# EAGLE board Mk4 Final a Panel score (EAGLE 9.0.1), part 7 of 24
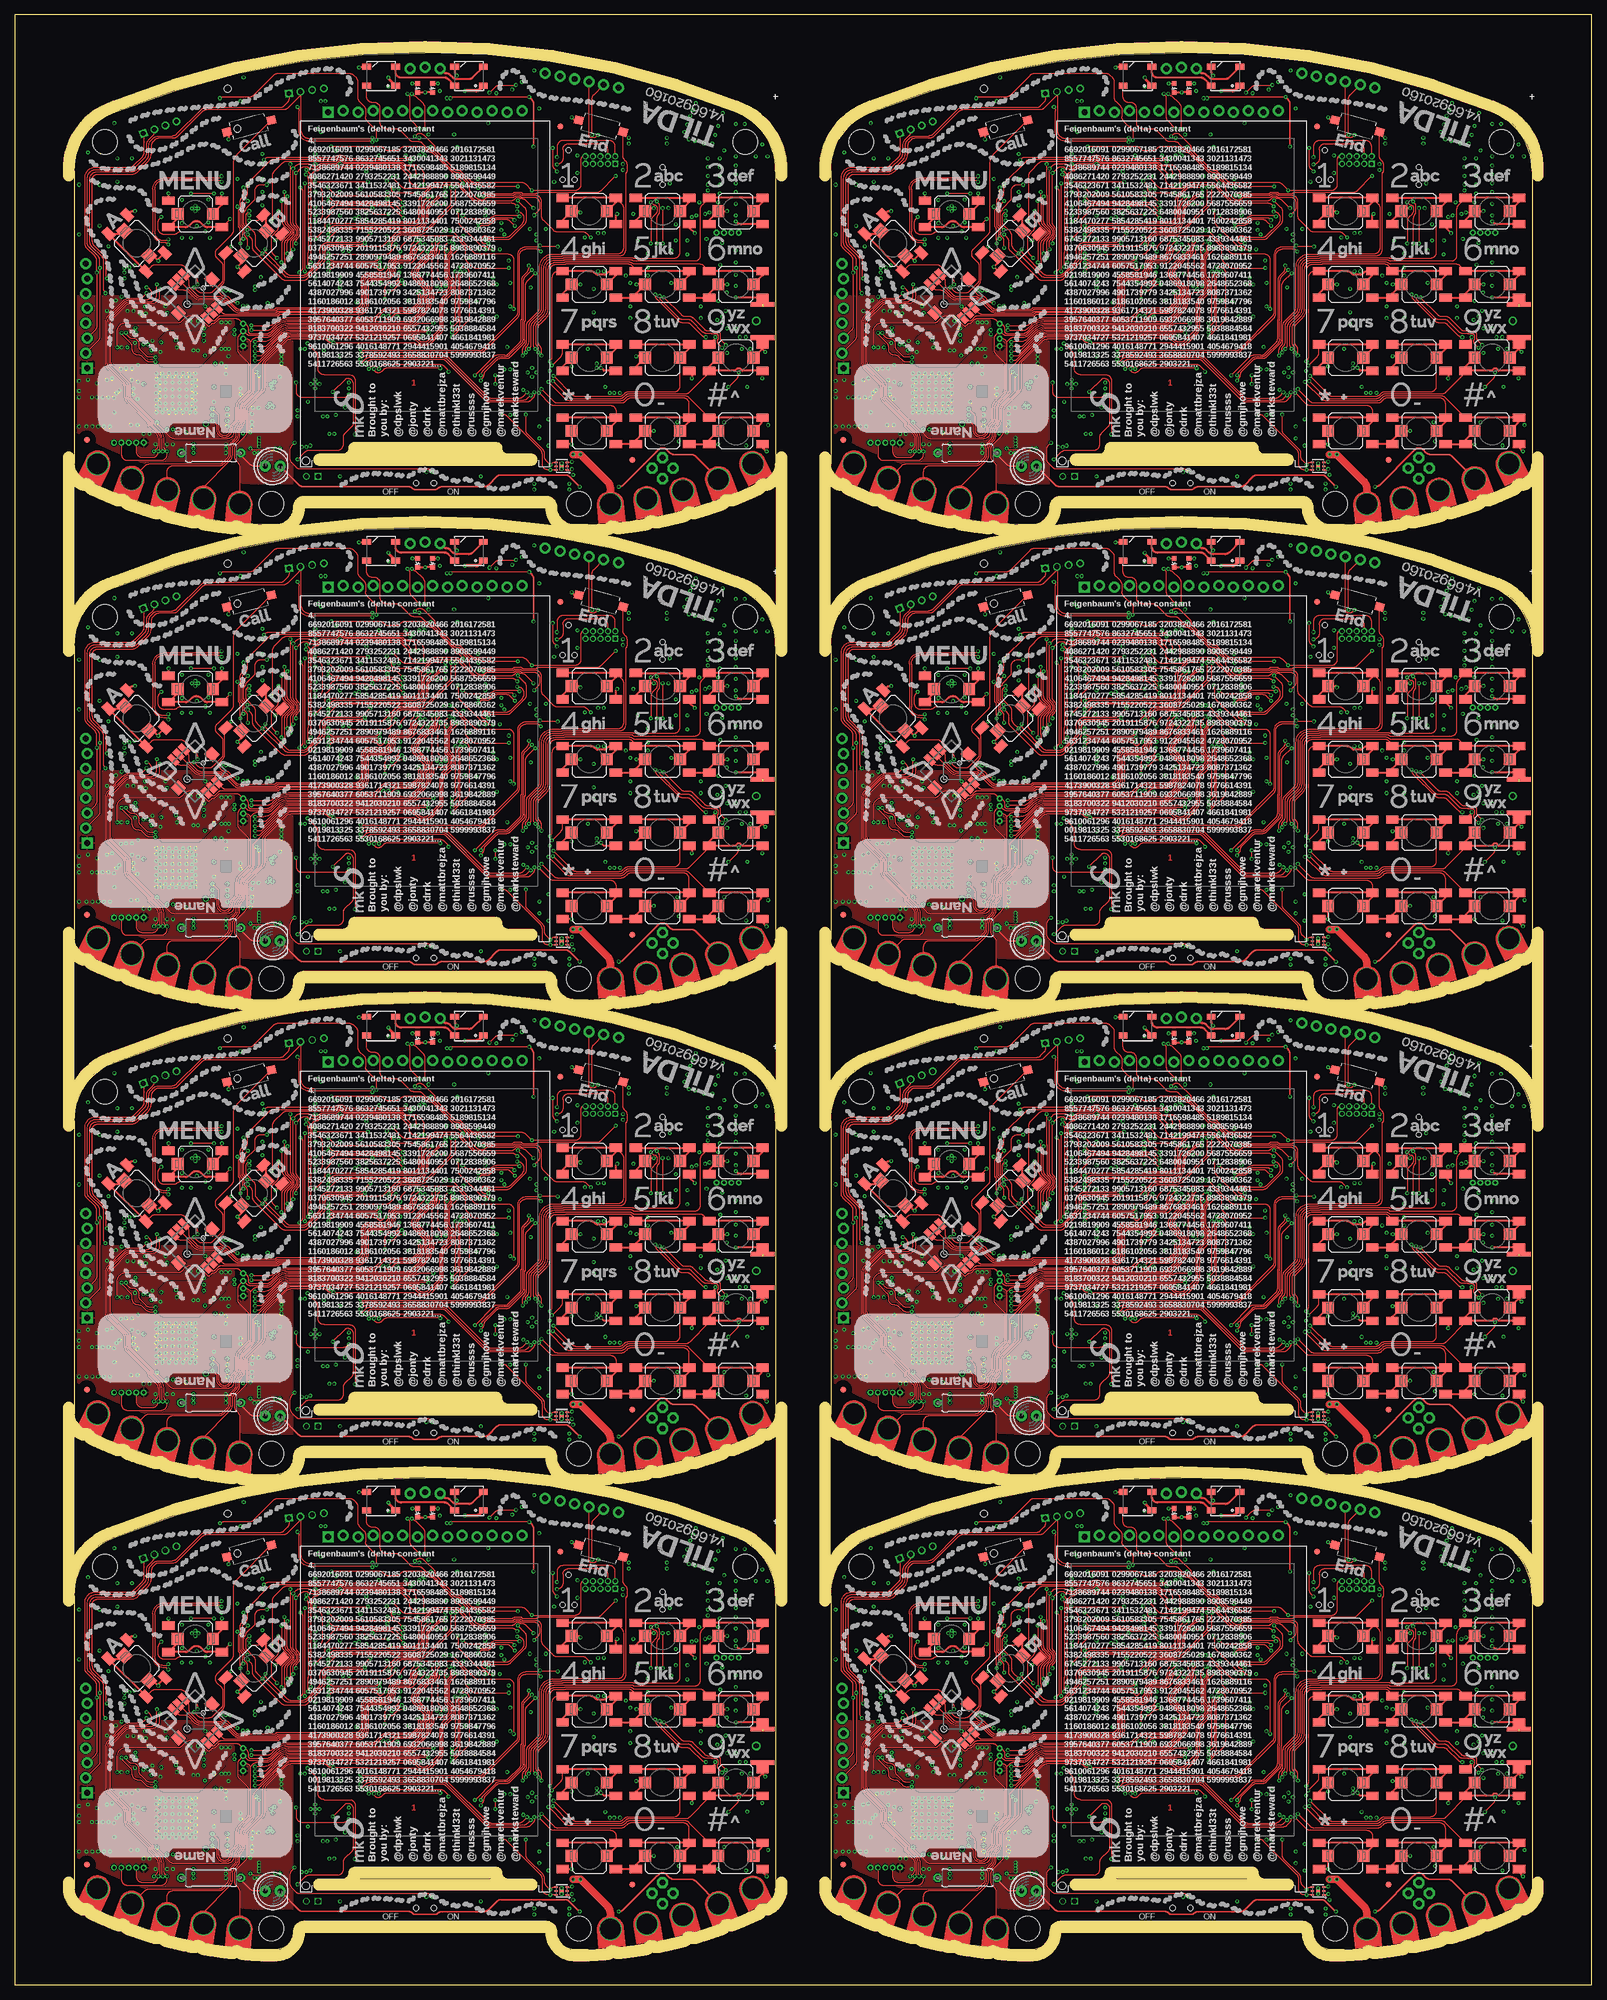
[diagram p0: board, top side]
## Tracks (layer width: path | path; a pad name or v marks a point on that pad's centre or on a via) (continued)
!RESET4  (via drill 0.3) (continued)
  Bottom 0.15: IC74.70 65.8,229.59 arc-45 65.95,229.95 66.25,230.25 arc-45 66.61,230.4 66.79,230.4 arc45 67.15,230.55 67.85,231.25 arc45 68,231.61 C449.2 | R322.1 68,233.79 arc-45 68.15,234.15 v68.25,234.25 | v78.5,193.5 78.5,187.82 arc45 79.01,186.59 84.09,181.51 arc45 85.33,181 88.45,181 arc-90 89.7,179.75 89.7,178.16 arc-45 89.41,177.46 88.41,176.46 arc-45 88.27,176.4 87.56,176.4 arc45 87.42,176.34 87.38,176.31 arc-45 87.24,176.25 S103.2
  Bottom 0.2: C449.2 R322.1
!RESET5  (via drill 0.3)
  Top 0.15: v216.7,212.2 216.7,211.81 arc-45 216.41,211.11 215.82,210.52 arc45 215.53,209.81 215.53,203.15 arc-45 215.5,203.08 215.43,203.01 arc45 215.4,202.94 215.4,199.76 arc-45 215.11,199.06 213.24,197.19 arc-45 212.54,196.9 211.31,196.9 arc45 210.61,196.61 v207.5,193.5
  Top 0.2: J53.10 225.84,230.84 arc45 225.6,230.27 225.6,226.05 arc-90 224.6,225.05 v217.2,225.05 216.19,226.06 arc45 215.49,226.35 207.46,226.35 arc-45 206.75,226.64 205.14,228.25 arc45 204.79,228.4 204.67,228.4 arc-45 203.96,228.69 201.02,231.63 arc-45 200.73,232.34 arc45 200.6,232.65 198.83,234.42 arc90 197.42,234.42 v197.25,234.25
  3V3@2 0.15: v217.2,225.05 217.2,222.8 215.62,221.22 215.62,220.38 215.5,220.26 215.5,214.65 216.7,213.45 v216.7,212.2
  Bottom 0.15: IC92.70 194.8,229.59 arc-45 194.95,229.95 195.25,230.25 arc-45 195.61,230.4 195.79,230.4 arc45 196.15,230.55 196.85,231.25 arc45 197,231.61 C557.2 | R400.1 197,233.79 arc-45 197.15,234.15 v197.25,234.25 | v207.5,193.5 207.5,187.82 arc45 208.01,186.59 213.09,181.51 arc45 214.32,181 217.45,181 arc-90 218.7,179.75 218.7,178.16 arc-45 218.41,177.46 217.41,176.46 arc-45 217.27,176.4 216.56,176.4 arc45 216.42,176.34 216.38,176.31 arc-45 216.24,176.25 S124.2
  Bottom 0.2: C557.2 R400.1
!RESET6  (via drill 0.3)
  Top 0.15: v87.7,293.2 87.7,292.81 arc-45 87.41,292.11 86.82,291.52 arc45 86.53,290.81 86.53,284.15 arc-45 86.5,284.08 86.43,284.01 arc45 86.4,283.94 86.4,280.76 arc-45 86.11,280.06 84.24,278.19 arc-45 83.54,277.9 82.31,277.9 arc45 81.61,277.61 v78.5,274.5
  Top 0.2: J63.10 96.84,311.83 arc45 96.6,311.27 96.6,307.05 arc-90 95.6,306.05 v88.2,306.05 87.19,307.06 arc45 86.49,307.35 78.46,307.35 arc-45 77.75,307.64 76.14,309.25 arc45 75.79,309.4 75.67,309.4 arc-45 74.96,309.69 72.02,312.63 arc-45 71.73,313.34 arc45 71.6,313.65 69.83,315.42 arc90 68.42,315.42 v68.25,315.25
  3V3@2 0.15: v88.2,306.05 88.2,303.8 86.62,302.23 86.62,301.38 86.5,301.26 86.5,295.65 87.7,294.45 v87.7,293.2
  Bottom 0.15: IC110.70 65.8,310.59 arc-45 65.95,310.95 66.25,311.25 arc-45 66.61,311.4 66.79,311.4 arc45 67.15,311.55 67.85,312.25 arc45 68,312.61 C665.2 | R478.1 68,314.79 arc-45 68.15,315.15 v68.25,315.25 | v78.5,274.5 78.5,268.82 arc45 79.01,267.59 84.09,262.51 arc45 85.33,262 88.45,262 arc-90 89.7,260.75 89.7,259.16 arc-45 89.41,258.46 88.41,257.46 arc-45 88.27,257.4 87.56,257.4 arc45 87.42,257.34 87.38,257.31 arc-45 87.24,257.25 S145.2
  Bottom 0.2: C665.2 R478.1
!RESET7  (via drill 0.3)
  Top 0.15: v216.7,293.2 216.7,292.81 arc-45 216.41,292.11 215.82,291.52 arc45 215.53,290.81 215.53,284.15 arc-45 215.5,284.08 215.43,284.01 arc45 215.4,283.94 215.4,280.76 arc-45 215.11,280.06 213.24,278.19 arc-45 212.54,277.9 211.31,277.9 arc45 210.61,277.61 v207.5,274.5
  Top 0.2: J73.10 225.84,311.83 arc45 225.6,311.27 225.6,307.05 arc-90 224.6,306.05 v217.2,306.05 216.19,307.06 arc45 215.49,307.35 207.46,307.35 arc-45 206.75,307.64 205.14,309.25 arc45 204.79,309.4 204.67,309.4 arc-45 203.96,309.69 201.02,312.63 arc-45 200.73,313.34 arc45 200.6,313.65 198.83,315.42 arc90 197.42,315.42 v197.25,315.25
  3V3@2 0.15: v217.2,306.05 217.2,303.8 215.62,302.23 215.62,301.38 215.5,301.26 215.5,295.65 216.7,294.45 v216.7,293.2
  Bottom 0.15: IC128.70 194.8,310.59 arc-45 194.95,310.95 195.25,311.25 arc-45 195.61,311.4 195.79,311.4 arc45 196.15,311.55 196.85,312.25 arc45 197,312.61 C773.2 | R556.1 197,314.79 arc-45 197.15,315.15 v197.25,315.25 | v207.5,274.5 207.5,268.82 arc45 208.01,267.59 213.09,262.51 arc45 214.32,262 217.45,262 arc-90 218.7,260.75 218.7,259.16 arc-45 218.41,258.46 217.41,257.46 arc-45 217.27,257.4 216.56,257.4 arc45 216.42,257.34 216.38,257.31 arc-45 216.24,257.25 S166.2
  Bottom 0.2: C773.2 R556.1
!WAKE  (via drill 0.3)
  Top 0.15: v64.5,65.2 66.11,63.59 arc45 66.81,63.3 69.87,63.3 arc45 70.22,63.45 70.81,64.03 arc-45 71.52,64.33 75.23,64.33 arc-45 75.76,64.1 78.4,61.47 arc45 79.11,61.17 80.24,61.17 80.27,61.2 84.54,61.2 arc45 85.25,61.49 85.52,61.77 arc-45 85.66,61.83 85.94,61.83 arc-45 86.08,61.77 86.18,61.66 arc45 86.33,61.6 86.49,61.6 arc-45 87.19,61.31 v88.5,60 | v79.5,31.5 79.52,31.52 arc-45 79.75,32.08 81.98,34.31 arc-45 82.69,34.6 83.66,34.6 arc45 84.37,34.89 86.41,36.93 arc45 86.7,37.64 86.7,40.82 arc-45 86.73,40.89 86.8,40.96 arc45 86.83,41.03 86.83,47.66 arc-45 87.12,48.37 v88.22,49.48
  3V3@2 0.15: v88.22,49.48 88.22,50.58 88.1,50.7 88.1,51.48 86.8,52.78 86.8,58.13 86.92,58.26 86.92,58.42 v88.5,60
  Bottom 0.15: S20.2 62.25,14.25 63.21,13.29 arc45 63.91,13 66.88,13 arc-45 67.58,12.71 67.97,12.32 arc45 68.32,12.18 71.68,12.18 arc45 72.03,12.32 72.42,12.71 arc-45 73.12,13 86.09,13 arc45 86.79,13.29 87.54,14.04 arc-45 87.68,14.1 88.39,14.1 arc45 88.53,14.16 89.63,15.26 arc45 90,16.14 90,17.8 arc90 88.5,19.3 85.4,19.3 arc-45 84.34,19.74 79.34,24.74 arc-45 78.9,25.8 78.9,30.49 arc-45 79.19,31.19 v79.5,31.5 | IC1.64 v64.5,65.2
  Bottom 0.2: IC1.64 60.7,65.2 R5.1
!WAKE1  (via drill 0.3)
  Top 0.15: v193.5,65.2 195.11,63.59 arc45 195.81,63.3 198.87,63.3 arc45 199.22,63.45 199.81,64.03 arc-45 200.51,64.33 204.23,64.33 arc-45 204.76,64.1 207.4,61.47 arc45 208.11,61.17 209.24,61.17 209.27,61.2 213.54,61.2 arc45 214.25,61.49 214.52,61.77 arc-45 214.66,61.83 214.94,61.83 arc-45 215.08,61.77 215.18,61.66 arc45 215.32,61.6 215.49,61.6 arc-45 216.19,61.31 v217.5,60 | v208.5,31.5 208.52,31.52 arc-45 208.75,32.08 210.98,34.31 arc-45 211.69,34.6 212.66,34.6 arc45 213.37,34.89 215.41,36.93 arc45 215.7,37.64 215.7,40.82 arc-45 215.73,40.89 215.8,40.96 arc45 215.82,41.03 215.82,47.66 arc-45 216.12,48.37 v217.22,49.48
  3V3@2 0.15: v217.22,49.48 217.22,50.58 217.1,50.7 217.1,51.48 215.8,52.78 215.8,58.13 215.93,58.26 215.93,58.42 v217.5,60
  Bottom 0.15: S41.2 191.25,14.25 192.21,13.29 arc45 192.91,13 195.88,13 arc-45 196.58,12.71 196.97,12.32 arc45 197.32,12.18 200.68,12.18 arc45 201.03,12.32 201.41,12.71 arc-45 202.12,13 215.09,13 arc45 215.79,13.29 216.54,14.04 arc-45 216.68,14.1 217.39,14.1 arc45 217.53,14.16 218.63,15.26 arc45 219,16.14 219,17.8 arc90 217.5,19.3 214.4,19.3 arc-45 213.34,19.74 208.34,24.74 arc-45 207.9,25.8 207.9,30.49 arc-45 208.19,31.19 v208.5,31.5 | IC20.64 v193.5,65.2
  Bottom 0.2: IC20.64 189.7,65.2 R89.1
!WAKE2  (via drill 0.3)
  Top 0.15: v64.5,146.2 66.11,144.59 arc45 66.81,144.3 69.87,144.3 arc45 70.22,144.45 70.81,145.03 arc-45 71.52,145.32 75.23,145.32 arc-45 75.76,145.1 78.4,142.47 arc45 79.11,142.18 80.24,142.18 80.27,142.2 84.54,142.2 arc45 85.25,142.49 85.52,142.77 arc-45 85.66,142.82 85.94,142.82 arc-45 86.08,142.77 86.18,142.66 arc45 86.33,142.6 86.49,142.6 arc-45 87.19,142.31 v88.5,141 | v79.5,112.5 79.52,112.52 arc-45 79.75,113.08 81.98,115.31 arc-45 82.69,115.6 83.66,115.6 arc45 84.37,115.89 86.41,117.93 arc45 86.7,118.64 86.7,121.82 arc-45 86.73,121.89 86.8,121.96 arc45 86.83,122.03 86.83,128.66 arc-45 87.12,129.37 v88.22,130.47
  3V3@2 0.15: v88.22,130.47 88.22,131.57 88.1,131.7 88.1,132.48 86.8,133.78 86.8,139.13 86.92,139.26 86.92,139.43 v88.5,141
  Bottom 0.15: S62.2 62.25,95.25 63.21,94.29 arc45 63.91,94 66.88,94 arc-45 67.58,93.71 67.97,93.32 arc45 68.32,93.17 71.68,93.17 arc45 72.03,93.32 72.42,93.71 arc-45 73.12,94 86.09,94 arc45 86.79,94.29 87.54,95.04 arc-45 87.68,95.1 88.39,95.1 arc45 88.53,95.16 89.63,96.26 arc45 90,97.14 90,98.8 arc90 88.5,100.3 85.4,100.3 arc-45 84.34,100.74 79.34,105.74 arc-45 78.9,106.8 78.9,111.49 arc-45 79.19,112.19 v79.5,112.5 | IC38.64 v64.5,146.2
  Bottom 0.2: IC38.64 60.7,146.2 R167.1
!WAKE3  (via drill 0.3)
  Top 0.15: v193.5,146.2 195.11,144.59 arc45 195.81,144.3 198.87,144.3 arc45 199.22,144.45 199.81,145.03 arc-45 200.51,145.32 204.23,145.32 arc-45 204.76,145.1 207.4,142.47 arc45 208.11,142.18 209.24,142.18 209.27,142.2 213.54,142.2 arc45 214.25,142.49 214.52,142.77 arc-45 214.66,142.82 214.94,142.82 arc-45 215.08,142.77 215.18,142.66 arc45 215.32,142.6 215.49,142.6 arc-45 216.19,142.31 v217.5,141 | v208.5,112.5 208.52,112.52 arc-45 208.75,113.08 210.98,115.31 arc-45 211.69,115.6 212.66,115.6 arc45 213.37,115.89 215.41,117.93 arc45 215.7,118.64 215.7,121.82 arc-45 215.73,121.89 215.8,121.96 arc45 215.82,122.03 215.82,128.66 arc-45 216.12,129.37 v217.22,130.47
  3V3@2 0.15: v217.22,130.47 217.22,131.57 217.1,131.7 217.1,132.48 215.8,133.78 215.8,139.13 215.93,139.26 215.93,139.43 v217.5,141
  Bottom 0.15: S83.2 191.25,95.25 192.21,94.29 arc45 192.91,94 195.88,94 arc-45 196.58,93.71 196.97,93.32 arc45 197.32,93.17 200.68,93.17 arc45 201.03,93.32 201.41,93.71 arc-45 202.12,94 215.09,94 arc45 215.79,94.29 216.54,95.04 arc-45 216.68,95.1 217.39,95.1 arc45 217.53,95.16 218.63,96.26 arc45 219,97.14 219,98.8 arc90 217.5,100.3 214.4,100.3 arc-45 213.34,100.74 208.34,105.74 arc-45 207.9,106.8 207.9,111.49 arc-45 208.19,112.19 v208.5,112.5 | IC56.64 v193.5,146.2
  Bottom 0.2: IC56.64 189.7,146.2 R245.1
!WAKE4  (via drill 0.3)
  Top 0.15: v64.5,227.2 66.11,225.59 arc45 66.81,225.3 69.87,225.3 arc45 70.22,225.45 70.81,226.03 arc-45 71.52,226.32 75.23,226.32 arc-45 75.76,226.1 78.4,223.47 arc45 79.11,223.18 80.24,223.18 80.27,223.2 84.54,223.2 arc45 85.25,223.49 85.52,223.77 arc-45 85.66,223.82 85.94,223.82 arc-45 86.08,223.77 86.18,223.66 arc45 86.33,223.6 86.49,223.6 arc-45 87.19,223.31 v88.5,222 | v79.5,193.5 79.52,193.52 arc-45 79.75,194.07 81.98,196.31 arc-45 82.69,196.6 83.66,196.6 arc45 84.37,196.89 86.41,198.93 arc45 86.7,199.64 86.7,202.82 arc-45 86.73,202.89 86.8,202.96 arc45 86.83,203.03 86.83,209.66 arc-45 87.12,210.37 v88.22,211.47
  3V3@2 0.15: v88.22,211.47 88.22,212.57 88.1,212.7 88.1,213.48 86.8,214.78 86.8,220.13 86.92,220.26 86.92,220.43 v88.5,222
  Bottom 0.15: S104.2 62.25,176.25 63.21,175.29 arc45 63.91,175 66.88,175 arc-45 67.58,174.71 67.97,174.32 arc45 68.32,174.18 71.68,174.18 arc45 72.03,174.32 72.42,174.71 arc-45 73.12,175 86.09,175 arc45 86.79,175.29 87.54,176.04 arc-45 87.68,176.1 88.39,176.1 arc45 88.53,176.16 89.63,177.26 arc45 90,178.14 90,179.8 arc90 88.5,181.3 85.4,181.3 arc-45 84.34,181.74 79.34,186.74 arc-45 78.9,187.8 78.9,192.49 arc-45 79.19,193.19 v79.5,193.5 | IC74.64 v64.5,227.2
  Bottom 0.2: IC74.64 60.7,227.2 R323.1
!WAKE5  (via drill 0.3)
  Top 0.15: v193.5,227.2 195.11,225.59 arc45 195.81,225.3 198.87,225.3 arc45 199.22,225.45 199.81,226.03 arc-45 200.51,226.32 204.23,226.32 arc-45 204.76,226.1 207.4,223.47 arc45 208.11,223.18 209.24,223.18 209.27,223.2 213.54,223.2 arc45 214.25,223.49 214.52,223.77 arc-45 214.66,223.82 214.94,223.82 arc-45 215.08,223.77 215.18,223.66 arc45 215.32,223.6 215.49,223.6 arc-45 216.19,223.31 v217.5,222 | v208.5,193.5 208.52,193.52 arc-45 208.75,194.07 210.98,196.31 arc-45 211.69,196.6 212.66,196.6 arc45 213.37,196.89 215.41,198.93 arc45 215.7,199.64 215.7,202.82 arc-45 215.73,202.89 215.8,202.96 arc45 215.82,203.03 215.82,209.66 arc-45 216.12,210.37 v217.22,211.47
  3V3@2 0.15: v217.22,211.47 217.22,212.57 217.1,212.7 217.1,213.48 215.8,214.78 215.8,220.13 215.93,220.26 215.93,220.43 v217.5,222
  Bottom 0.15: S125.2 191.25,176.25 192.21,175.29 arc45 192.91,175 195.88,175 arc-45 196.58,174.71 196.97,174.32 arc45 197.32,174.18 200.68,174.18 arc45 201.03,174.32 201.41,174.71 arc-45 202.12,175 215.09,175 arc45 215.79,175.29 216.54,176.04 arc-45 216.68,176.1 217.39,176.1 arc45 217.53,176.16 218.63,177.26 arc45 219,178.14 219,179.8 arc90 217.5,181.3 214.4,181.3 arc-45 213.34,181.74 208.34,186.74 arc-45 207.9,187.8 207.9,192.49 arc-45 208.19,193.19 v208.5,193.5 | IC92.64 v193.5,227.2
  Bottom 0.2: IC92.64 189.7,227.2 R401.1
!WAKE6  (via drill 0.3)
  Top 0.15: v64.5,308.2 66.11,306.59 arc45 66.81,306.3 69.87,306.3 arc45 70.22,306.45 70.81,307.03 arc-45 71.52,307.32 75.23,307.32 arc-45 75.76,307.11 78.4,304.47 arc45 79.11,304.18 80.24,304.18 80.27,304.2 84.54,304.2 arc45 85.25,304.49 85.52,304.77 arc-45 85.66,304.82 85.94,304.82 arc-45 86.08,304.77 86.18,304.66 arc45 86.33,304.6 86.49,304.6 arc-45 87.19,304.31 v88.5,303 | v79.5,274.5 79.52,274.52 arc-45 79.75,275.07 81.98,277.31 arc-45 82.69,277.6 83.66,277.6 arc45 84.37,277.89 86.41,279.93 arc45 86.7,280.64 86.7,283.82 arc-45 86.73,283.89 86.8,283.96 arc45 86.83,284.03 86.83,290.66 arc-45 87.12,291.37 v88.22,292.48
  3V3@2 0.15: v88.22,292.48 88.22,293.57 88.1,293.7 88.1,294.48 86.8,295.78 86.8,301.13 86.92,301.26 86.92,301.43 v88.5,303
  Bottom 0.15: S146.2 62.25,257.25 63.21,256.29 arc45 63.91,256 66.88,256 arc-45 67.58,255.71 67.97,255.32 arc45 68.32,255.18 71.68,255.18 arc45 72.03,255.32 72.42,255.71 arc-45 73.12,256 86.09,256 arc45 86.79,256.29 87.54,257.04 arc-45 87.68,257.1 88.39,257.1 arc45 88.53,257.16 89.63,258.26 arc45 90,259.14 90,260.8 arc90 88.5,262.3 85.4,262.3 arc-45 84.34,262.74 79.34,267.74 arc-45 78.9,268.8 78.9,273.49 arc-45 79.19,274.19 v79.5,274.5 | IC110.64 v64.5,308.2
  Bottom 0.2: IC110.64 60.7,308.2 R479.1
!WAKE7  (via drill 0.3)
  Top 0.15: v193.5,308.2 195.11,306.59 arc45 195.81,306.3 198.87,306.3 arc45 199.22,306.45 199.81,307.03 arc-45 200.51,307.32 204.23,307.32 arc-45 204.76,307.11 207.4,304.47 arc45 208.11,304.18 209.24,304.18 209.27,304.2 213.54,304.2 arc45 214.25,304.49 214.52,304.77 arc-45 214.66,304.82 214.94,304.82 arc-45 215.08,304.77 215.18,304.66 arc45 215.32,304.6 215.49,304.6 arc-45 216.19,304.31 v217.5,303 | v208.5,274.5 208.52,274.52 arc-45 208.75,275.07 210.98,277.31 arc-45 211.69,277.6 212.66,277.6 arc45 213.37,277.89 215.41,279.93 arc45 215.7,280.64 215.7,283.82 arc-45 215.73,283.89 215.8,283.96 arc45 215.82,284.03 215.82,290.66 arc-45 216.12,291.37 v217.22,292.48
  3V3@2 0.15: v217.22,292.48 217.22,293.57 217.1,293.7 217.1,294.48 215.8,295.78 215.8,301.13 215.93,301.26 215.93,301.43 v217.5,303
  Bottom 0.15: S167.2 191.25,257.25 192.21,256.29 arc45 192.91,256 195.88,256 arc-45 196.58,255.71 196.97,255.32 arc45 197.32,255.18 200.68,255.18 arc45 201.03,255.32 201.41,255.71 arc-45 202.12,256 215.09,256 arc45 215.79,256.29 216.54,257.04 arc-45 216.68,257.1 217.39,257.1 arc45 217.53,257.16 218.63,258.26 arc45 219,259.14 219,260.8 arc90 217.5,262.3 214.4,262.3 arc-45 213.34,262.74 208.34,267.74 arc-45 207.9,268.8 207.9,273.49 arc-45 208.19,274.19 v208.5,274.5 | IC128.64 v193.5,308.2
  Bottom 0.2: IC128.64 189.7,308.2 R557.1
ADC1_HALL  (via drill 0.3)
  Top 0.15: v81,47 v82.25,47
  Bottom 0.15: IC1.13 71.4,49.06 arc-45 71.11,48.36 71.04,48.29 arc45 70.75,47.59 70.75,46.5 arc90 71.75,45.5 76.34,45.5 arc45 77.04,45.79 77.67,46.42 arc-45 78.38,46.72 80.55,46.72 80.83,47 v81,47 | v82.25,47 82.96,46.29 arc45 83.66,46 85.59,46 arc-45 86.29,45.71 92.11,39.89 arc-45 92.4,39.19 92.4,33.33 arc45 92.91,32.09 97.79,27.21 arc45 99.03,26.7 102.5,26.7 arc-90 103.5,25.7 103.5,17.91 arc-45 103.21,17.21 102.54,16.54 arc-45 101.84,16.25 IC18.2
ADC1_HALL1  (via drill 0.3)
  Top 0.15: v210,47 v211.25,47
  Bottom 0.15: IC20.13 200.4,49.06 arc-45 200.11,48.36 200.04,48.29 arc45 199.75,47.59 199.75,46.5 arc90 200.75,45.5 205.34,45.5 arc45 206.04,45.79 206.67,46.42 arc-45 207.38,46.72 209.54,46.72 209.83,47 v210,47 | v211.25,47 211.96,46.29 arc45 212.66,46 214.59,46 arc-45 215.29,45.71 221.11,39.89 arc-45 221.4,39.19 221.4,33.33 arc45 221.91,32.09 226.79,27.21 arc45 228.03,26.7 231.5,26.7 arc-90 232.5,25.7 232.5,17.91 arc-45 232.21,17.21 231.54,16.54 arc-45 230.84,16.25 IC36.2
ADC1_HALL2  (via drill 0.3)
  Top 0.15: v81,128 v82.25,128
  Bottom 0.15: IC38.13 71.4,130.06 arc-45 71.11,129.36 71.04,129.29 arc45 70.75,128.59 70.75,127.5 arc90 71.75,126.5 76.34,126.5 arc45 77.04,126.79 77.67,127.42 arc-45 78.38,127.72 80.55,127.72 80.83,128 v81,128 | v82.25,128 82.96,127.29 arc45 83.66,127 85.59,127 arc-45 86.29,126.71 92.11,120.89 arc-45 92.4,120.19 92.4,114.33 arc45 92.91,113.09 97.79,108.21 arc45 99.03,107.7 102.5,107.7 arc-90 103.5,106.7 103.5,98.91 arc-45 103.21,98.21 102.54,97.54 arc-45 101.84,97.25 IC54.2
ADC1_HALL3  (via drill 0.3)
  Top 0.15: v210,128 v211.25,128
  Bottom 0.15: IC56.13 200.4,130.06 arc-45 200.11,129.36 200.04,129.29 arc45 199.75,128.59 199.75,127.5 arc90 200.75,126.5 205.34,126.5 arc45 206.04,126.79 206.67,127.42 arc-45 207.38,127.72 209.54,127.72 209.83,128 v210,128 | v211.25,128 211.96,127.29 arc45 212.66,127 214.59,127 arc-45 215.29,126.71 221.11,120.89 arc-45 221.4,120.19 221.4,114.33 arc45 221.91,113.09 226.79,108.21 arc45 228.03,107.7 231.5,107.7 arc-90 232.5,106.7 232.5,98.91 arc-45 232.21,98.21 231.54,97.54 arc-45 230.84,97.25 IC72.2
ADC1_HALL4  (via drill 0.3)
  Top 0.15: v81,209 v82.25,209
  Bottom 0.15: IC74.13 71.4,211.06 arc-45 71.11,210.36 71.04,210.29 arc45 70.75,209.59 70.75,208.5 arc90 71.75,207.5 76.34,207.5 arc45 77.04,207.79 77.67,208.42 arc-45 78.38,208.72 80.55,208.72 80.83,209 v81,209 | v82.25,209 82.96,208.29 arc45 83.66,208 85.59,208 arc-45 86.29,207.71 92.11,201.89 arc-45 92.4,201.19 92.4,195.32 arc45 92.91,194.09 97.79,189.21 arc45 99.03,188.7 102.5,188.7 arc-90 103.5,187.7 103.5,179.91 arc-45 103.21,179.21 102.54,178.54 arc-45 101.84,178.25 IC90.2
ADC1_HALL5  (via drill 0.3)
  Top 0.15: v210,209 v211.25,209
  Bottom 0.15: IC92.13 200.4,211.06 arc-45 200.11,210.36 200.04,210.29 arc45 199.75,209.59 199.75,208.5 arc90 200.75,207.5 205.34,207.5 arc45 206.04,207.79 206.67,208.42 arc-45 207.38,208.72 209.54,208.72 209.83,209 v210,209 | v211.25,209 211.96,208.29 arc45 212.66,208 214.59,208 arc-45 215.29,207.71 221.11,201.89 arc-45 221.4,201.19 221.4,195.32 arc45 221.91,194.09 226.79,189.21 arc45 228.03,188.7 231.5,188.7 arc-90 232.5,187.7 232.5,179.91 arc-45 232.21,179.21 231.54,178.54 arc-45 230.84,178.25 IC108.2
ADC1_HALL6  (via drill 0.3)
  Top 0.15: v81,290 v82.25,290
  Bottom 0.15: IC110.13 71.4,292.06 arc-45 71.11,291.36 71.04,291.29 arc45 70.75,290.59 70.75,289.5 arc90 71.75,288.5 76.34,288.5 arc45 77.04,288.79 77.67,289.42 arc-45 78.38,289.71 80.55,289.71 80.83,290 v81,290 | v82.25,290 82.96,289.29 arc45 83.66,289 85.59,289 arc-45 86.29,288.71 92.11,282.89 arc-45 92.4,282.19 92.4,276.32 arc45 92.91,275.09 97.79,270.21 arc45 99.03,269.7 102.5,269.7 arc-90 103.5,268.7 103.5,260.91 arc-45 103.21,260.21 102.54,259.54 arc-45 101.84,259.25 IC126.2
ADC1_HALL7  (via drill 0.3)
  Top 0.15: v210,290 v211.25,290
  Bottom 0.15: IC128.13 200.4,292.06 arc-45 200.11,291.36 200.04,291.29 arc45 199.75,290.59 199.75,289.5 arc90 200.75,288.5 205.34,288.5 arc45 206.04,288.79 206.67,289.42 arc-45 207.38,289.71 209.54,289.71 209.83,290 v210,290 | v211.25,290 211.96,289.29 arc45 212.66,289 214.59,289 arc-45 215.29,288.71 221.11,282.89 arc-45 221.4,282.19 221.4,276.32 arc45 221.91,275.09 226.79,270.21 arc45 228.03,269.7 231.5,269.7 arc-90 232.5,268.7 232.5,260.91 arc-45 232.21,260.21 231.54,259.54 arc-45 230.84,259.25 IC144.2
AIN6_SPK_ADC  (via drill 0.3)
  Top 0.15: v85.7,59.4 85.8,59.4 arc-90 86.8,58.4 86.8,58.01 arc-45 86.51,57.31 84.47,55.27 arc-45 83.76,54.98 80.83,54.98 80.75,55.05 arc45 80.39,55.2 80.1,55.2 arc90 79.6,54.7 79.6,54.5 arc90 80.1,54 v80.8,54
  Bottom 0.15: R46.2 92.75,58.4 arc90 91.75,59.4 90.6,59.4 | v85.7,59.4 90.6,59.4 | v80.8,54 79.71,54 arc45 79.35,53.85 79.25,53.75 arc-45 78.89,53.6 IC1.126 | IC11.7 90.67,59.33 90.6,59.4
AIN6_SPK_ADC1  (via drill 0.3)
  Top 0.15: v214.7,59.4 214.8,59.4 arc-90 215.8,58.4 215.8,58.01 arc-45 215.51,57.31 213.47,55.27 arc-45 212.76,54.98 209.82,54.98 209.75,55.05 arc45 209.39,55.2 209.1,55.2 arc90 208.6,54.7 208.6,54.5 arc90 209.1,54 v209.8,54
  Bottom 0.15: R127.2 221.75,58.4 arc90 220.75,59.4 219.6,59.4 | v214.7,59.4 219.6,59.4 | v209.8,54 208.71,54 arc45 208.35,53.85 208.25,53.75 arc-45 207.89,53.6 IC20.126 | IC26.7 219.68,59.33 219.6,59.4
AIN6_SPK_ADC2  (via drill 0.3)
  Top 0.15: v85.7,140.4 85.8,140.4 arc-90 86.8,139.4 86.8,139.01 arc-45 86.51,138.31 84.47,136.27 arc-45 83.76,135.97 80.83,135.97 80.75,136.05 arc45 80.39,136.2 80.1,136.2 arc90 79.6,135.7 79.6,135.5 arc90 80.1,135 v80.8,135
  Bottom 0.15: R205.2 92.75,139.4 arc90 91.75,140.4 90.6,140.4 | v85.7,140.4 90.6,140.4 | v80.8,135 79.71,135 arc45 79.35,134.85 79.25,134.75 arc-45 78.89,134.6 IC38.126 | IC44.7 90.67,140.32 90.6,140.4
AIN6_SPK_ADC3  (via drill 0.3)
  Top 0.15: v214.7,140.4 214.8,140.4 arc-90 215.8,139.4 215.8,139.01 arc-45 215.51,138.31 213.47,136.27 arc-45 212.76,135.97 209.82,135.97 209.75,136.05 arc45 209.39,136.2 209.1,136.2 arc90 208.6,135.7 208.6,135.5 arc90 209.1,135 v209.8,135
  Bottom 0.15: R283.2 221.75,139.4 arc90 220.75,140.4 219.6,140.4 | v214.7,140.4 219.6,140.4 | v209.8,135 208.71,135 arc45 208.35,134.85 208.25,134.75 arc-45 207.89,134.6 IC56.126 | IC62.7 219.68,140.32 219.6,140.4
AIN6_SPK_ADC4  (via drill 0.3)
  Top 0.15: v85.7,221.4 85.8,221.4 arc-90 86.8,220.4 86.8,220.01 arc-45 86.51,219.31 84.47,217.27 arc-45 83.76,216.97 80.83,216.97 80.75,217.05 arc45 80.39,217.2 80.1,217.2 arc90 79.6,216.7 79.6,216.5 arc90 80.1,216 v80.8,216
  Bottom 0.15: R361.2 92.75,220.4 arc90 91.75,221.4 90.6,221.4 | v85.7,221.4 90.6,221.4 | v80.8,216 79.71,216 arc45 79.35,215.85 79.25,215.75 arc-45 78.89,215.6 IC74.126 | IC80.7 90.67,221.32 90.6,221.4
AIN6_SPK_ADC5  (via drill 0.3)
  Top 0.15: v214.7,221.4 214.8,221.4 arc-90 215.8,220.4 215.8,220.01 arc-45 215.51,219.31 213.47,217.27 arc-45 212.76,216.97 209.82,216.97 209.75,217.05 arc45 209.39,217.2 209.1,217.2 arc90 208.6,216.7 208.6,216.5 arc90 209.1,216 v209.8,216
  Bottom 0.15: R439.2 221.75,220.4 arc90 220.75,221.4 219.6,221.4 | v214.7,221.4 219.6,221.4 | v209.8,216 208.71,216 arc45 208.35,215.85 208.25,215.75 arc-45 207.89,215.6 IC92.126 | IC98.7 219.68,221.32 219.6,221.4
AIN6_SPK_ADC6  (via drill 0.3)
  Top 0.15: v85.7,302.4 85.8,302.4 arc-90 86.8,301.4 86.8,301.01 arc-45 86.51,300.31 84.47,298.27 arc-45 83.76,297.98 80.83,297.98 80.75,298.05 arc45 80.39,298.2 80.1,298.2 arc90 79.6,297.7 79.6,297.5 arc90 80.1,297 v80.8,297
  Bottom 0.15: R517.2 92.75,301.4 arc90 91.75,302.4 90.6,302.4 | v85.7,302.4 90.6,302.4 | v80.8,297 79.71,297 arc45 79.35,296.85 79.25,296.75 arc-45 78.89,296.6 IC110.126 | IC116.7 90.67,302.32 90.6,302.4
AIN6_SPK_ADC7  (via drill 0.3)
  Top 0.15: v214.7,302.4 214.8,302.4 arc-90 215.8,301.4 215.8,301.01 arc-45 215.51,300.31 213.47,298.27 arc-45 212.76,297.98 209.82,297.98 209.75,298.05 arc45 209.39,298.2 209.1,298.2 arc90 208.6,297.7 208.6,297.5 arc90 209.1,297 v209.8,297
  Bottom 0.15: R595.2 221.75,301.4 arc90 220.75,302.4 219.6,302.4 | v214.7,302.4 219.6,302.4 | v209.8,297 208.71,297 arc45 208.35,296.85 208.25,296.75 arc-45 207.89,296.6 IC128.126 | IC134.7 219.68,302.32 219.6,302.4
AMP_!SHUTDOWN  (via drill 0.3)
  Top 0.15: v34,62.5 v30.05,62.5
  3V3@2 0.15: v58.75,58.5 58.75,58.05 58.55,57.85 58.55,49.55 v55.5,46.5
  Bottom 0.15: IC1.46 61.77,58 arc45 61.42,57.85 61.29,57.72 arc-45 60.94,57.58 59.88,57.58 arc-45 59.53,57.72 v58.75,58.5 | v55.5,46.5 55.09,46.91 arc45 54.39,47.2 41.78,47.2 arc-45 41.64,47.26 41.56,47.34 arc45 41.42,47.4 40.76,47.4 arc-45 40.06,47.69 39.54,48.21 arc-45 39.25,48.91 39.25,50.34 arc45 38.96,51.04 37.47,52.53 arc45 37.12,52.67 36.91,52.67 arc-90 36.17,53.41 arc45 35.88,54.12 35.79,54.21 arc-45 35.5,54.91 35.5,59.59 arc45 35.21,60.29 34.29,61.21 arc-45 34,61.91 v34,62.5
  Bottom 0.2: IC13.1 29.83,61.86 arc-45 30.05,62.4 v30.05,62.5 R74.1
AMP_!SHUTDOWN1  (via drill 0.3)
  Top 0.15: v163,62.5 v159.05,62.5
  3V3@2 0.15: v187.75,58.5 187.75,58.05 187.55,57.85 187.55,49.55 v184.5,46.5
  Bottom 0.15: IC20.46 190.78,58 arc45 190.42,57.85 190.29,57.72 arc-45 189.94,57.58 188.88,57.58 arc-45 188.53,57.72 v187.75,58.5 | v184.5,46.5 184.09,46.91 arc45 183.39,47.2 170.78,47.2 arc-45 170.64,47.26 170.56,47.34 arc45 170.42,47.4 169.76,47.4 arc-45 169.06,47.69 168.54,48.21 arc-45 168.25,48.91 168.25,50.34 arc45 167.96,51.04 166.47,52.53 arc45 166.12,52.67 165.91,52.67 arc-90 165.18,53.41 arc45 164.88,54.12 164.79,54.21 arc-45 164.5,54.91 164.5,59.59 arc45 164.21,60.29 163.29,61.21 arc-45 163,61.91 v163,62.5
  Bottom 0.2: IC28.1 158.82,61.86 arc-45 159.05,62.4 v159.05,62.5 R155.1
AMP_!SHUTDOWN2  (via drill 0.3)
  Top 0.15: v34,143.5 v30.05,143.5
  3V3@2 0.15: v58.75,139.5 58.75,139.05 58.55,138.85 58.55,130.55 v55.5,127.5
  Bottom 0.15: IC38.46 61.77,139 arc45 61.42,138.85 61.29,138.72 arc-45 60.94,138.57 59.88,138.57 arc-45 59.53,138.72 v58.75,139.5 | v55.5,127.5 55.09,127.91 arc45 54.39,128.2 41.78,128.2 arc-45 41.64,128.26 41.56,128.34 arc45 41.42,128.4 40.76,128.4 arc-45 40.06,128.69 39.54,129.21 arc-45 39.25,129.91 39.25,131.34 arc45 38.96,132.04 37.47,133.53 arc45 37.12,133.68 36.91,133.68 arc-90 36.17,134.41 arc45 35.88,135.12 35.79,135.21 arc-45 35.5,135.91 35.5,140.59 arc45 35.21,141.29 34.29,142.21 arc-45 34,142.91 v34,143.5